# KiCad board RadCheck-SDRAM.kicad_pcb (continued)
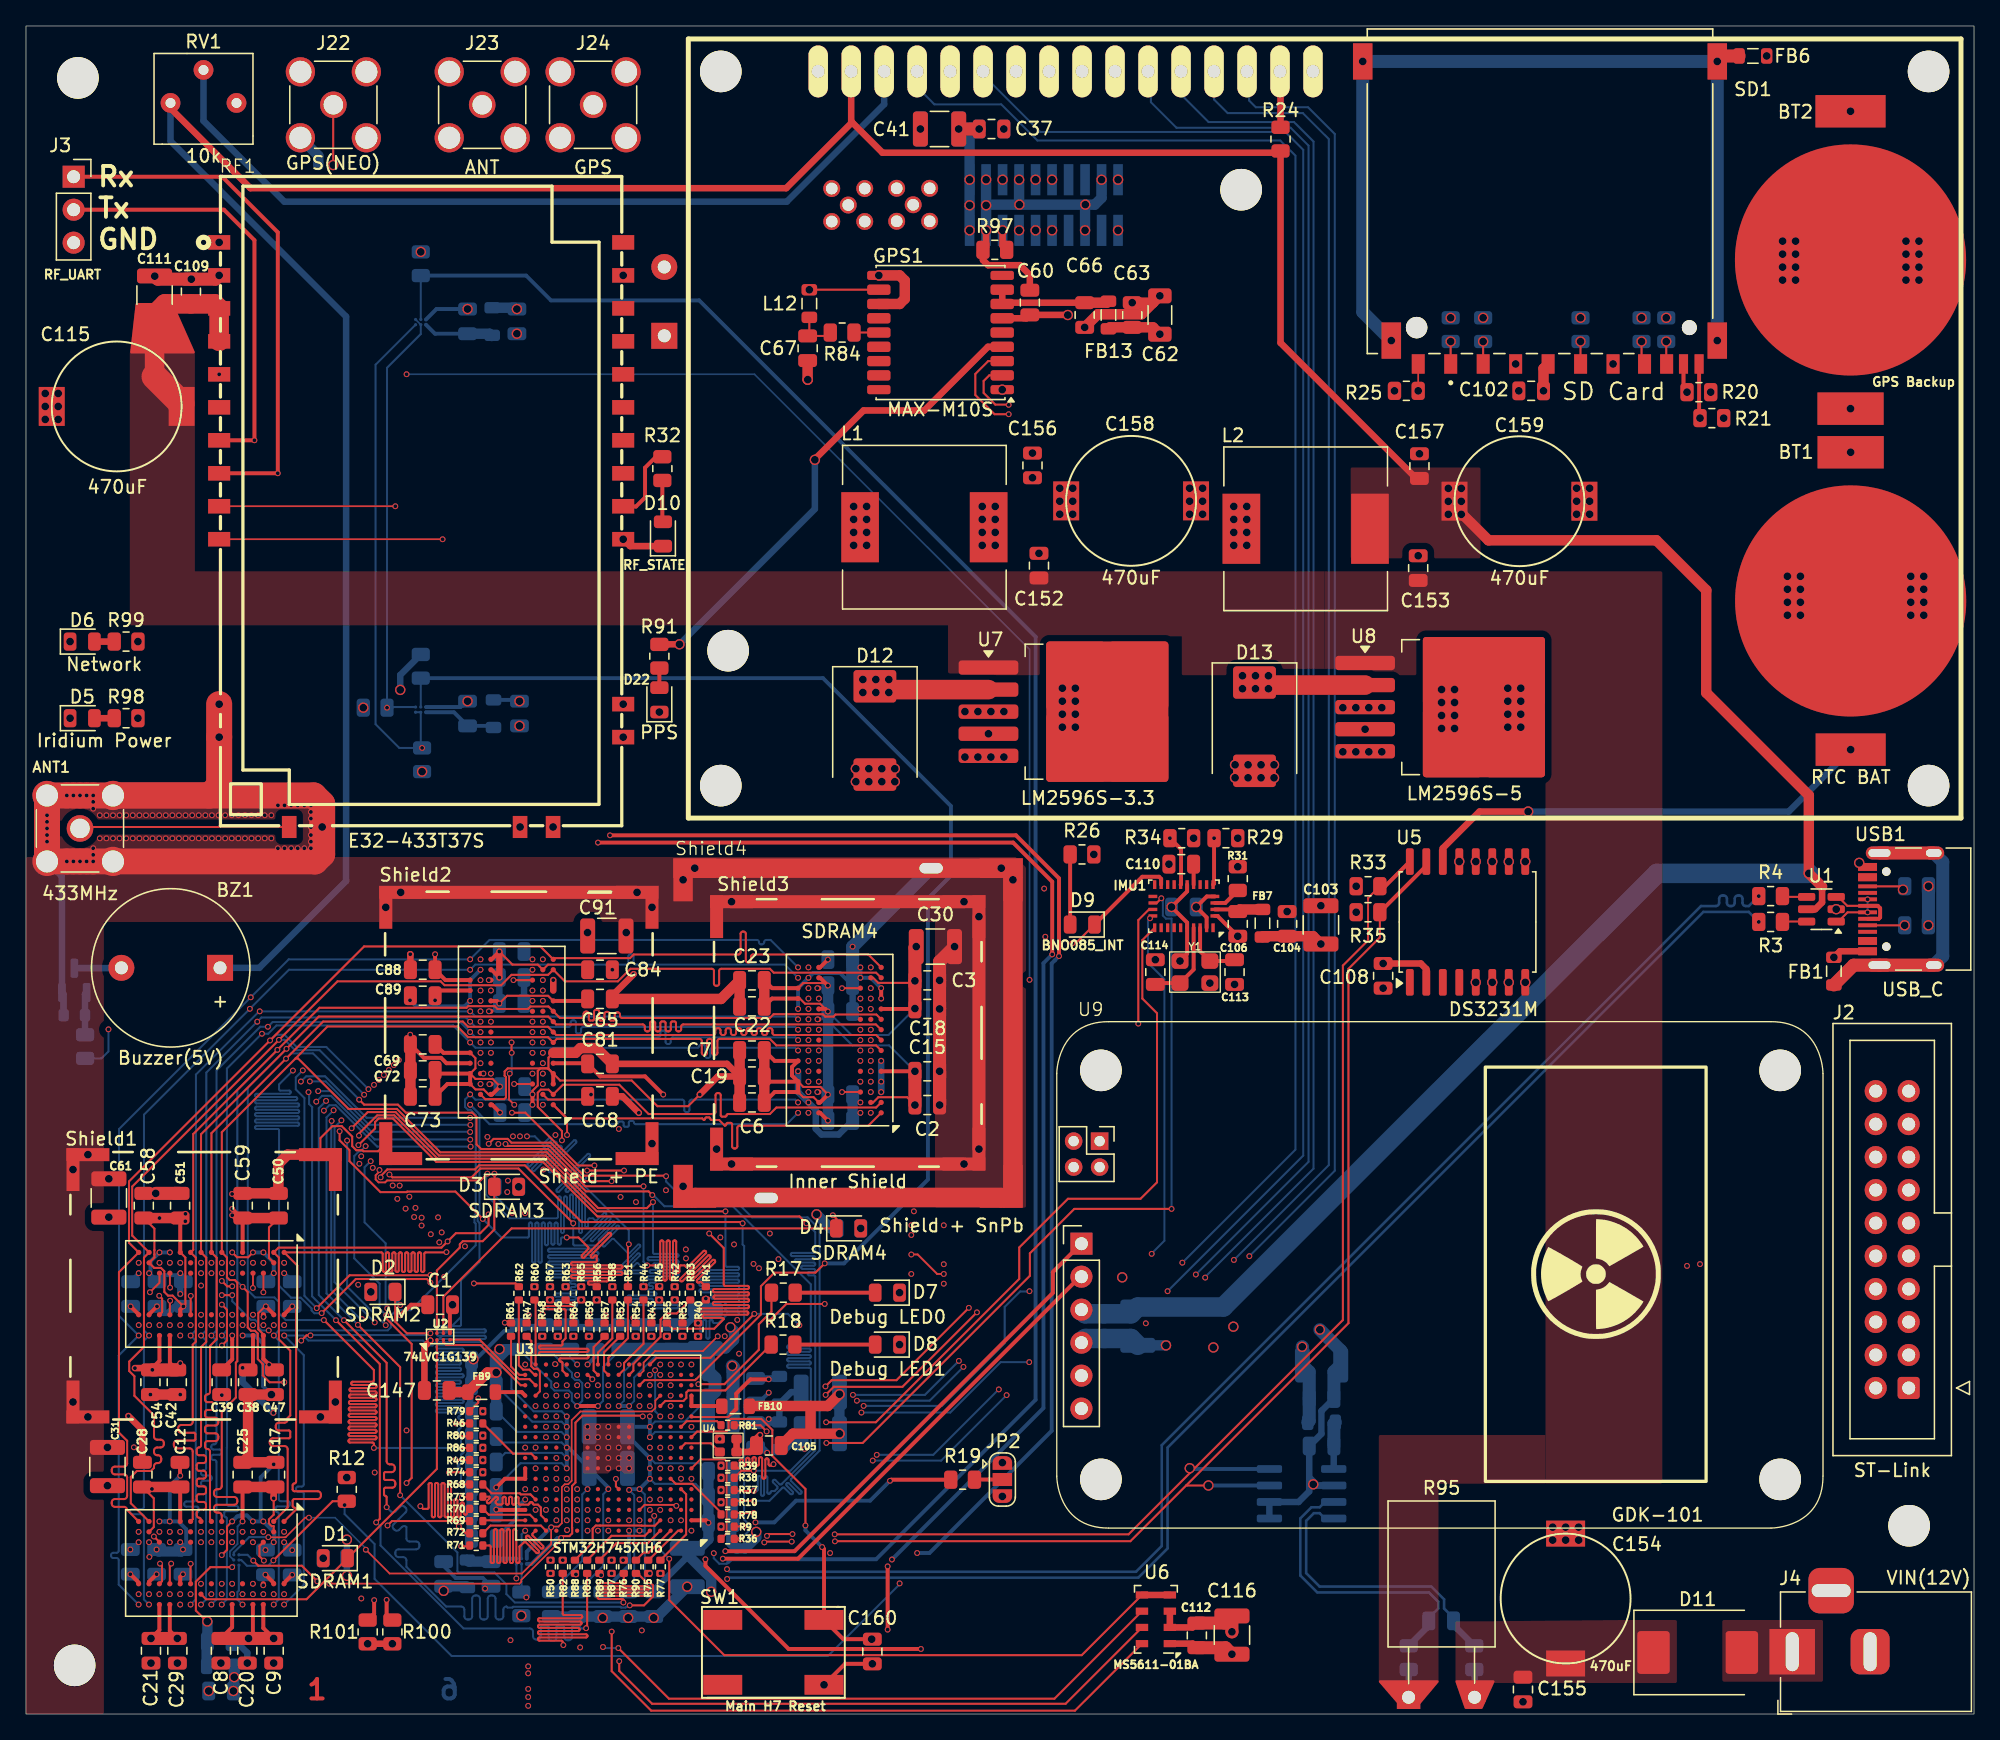
[diagram p0: board, top side]
## Footprints (pads in the part's own frame, mm; a bottom-side part is the same pattern mirrored in y, then rotated) (continued)
TO-126-2_Horizontal_TabDown
  rect 1.8x1.8 hole 1: 1(0,0)
  round 1.8 hole 1: 2(5.08,0)
TO-263-5_TabPin3
  rrect 4.6x1.1 smd: 1(-7.65,3.4) 2(-7.65,1.7) 3(-7.65,0) 4(-7.65,-1.7) 5(-7.65,-3.4)
  rrect 4.55x5.25 smd: 3(-0.925,2.775) 3(-0.925,-2.775) 3(3.925,2.775) 3(3.925,-2.775)
  rrect 9.4x10.8 smd: 3(1.5,0)
ublox_MAX
  rrect 1.8x0.7 smd: 1(-4.75,4.4) 9(-4.75,-4.4) 10(4.75,-4.4) 18(4.75,4.4)
  rrect 1.8x0.8 smd: 2(-4.75,3.3) 3(-4.75,2.2) 4(-4.75,1.1) 5(-4.75,0) 6(-4.75,-1.1) 7(-4.75,-2.2) 8(-4.75,-3.3) 11(4.75,-3.3) 12(4.75,-2.2) 13(4.75,-1.1) 14(4.75,0) 15(4.75,1.1) 16(4.75,2.2) 17(4.75,3.3)
USB_C_Receptacle_HRO_TYPE-C-31-M-12
  round 0.65 hole 0.65 unplated: (-2.89,2.6) (2.89,2.6)
  rect 0.6x1.45 smd: A1(-3.25,4.045) A4(-2.45,4.045) A9(2.45,4.045) A12(3.25,4.045) B1(3.25,4.045) B4(2.45,4.045) B9(-2.45,4.045) B12(-3.25,4.045)
  rect 0.3x1.45 smd: A5(-1.25,4.045) A6(-0.25,4.045) A7(0.25,4.045) A8(1.25,4.045) B5(1.75,4.045) B6(0.75,4.045) B7(-0.75,4.045) B8(-1.75,4.045)
  oval 1x2.1 hole 0.6x1.7: S1(-4.32,3.13) S1(4.32,3.13)
  oval 1x1.6 hole 0.6x1.2: S1(-4.32,-1.05) S1(4.32,-1.05)
WE-SHC_ONE-PIECE_36903205S
  rect 1x3.3 smd: 1(-10.1,8.95) 1(-10.1,-8.95) 1(10.1,8.95) 1(10.1,-8.95)
  rect 3.3x1 smd: 1(-8.95,10.1) 1(-8.95,-10.1) 1(8.95,10.1) 1(8.95,-10.1)
WE-SHC_SMD-FRAME_36103205S
  rect 1x3.3 smd: 1(-10.25,9.1) 1(-10.25,-9.1) 1(10.25,9.1) 1(10.25,-9.1)
  rect 3.3x1 smd: 1(-9.1,10.25) 1(-9.1,-10.25) 1(9.1,10.25) 1(9.1,-10.25)
WLCSP-6_1.4x1.0mm_P0.4mm
  round 0.25 smd: A1(-0.4,0.2) A2(-0.4,-0.2) B1(0,0.2) B2(0,-0.2) C1(0.4,0.2) C2(0.4,-0.2)
XC32M4
  rrect 1.3x1.2 smd: 1(-1.2,-0.8) 2(1.1,-0.8) 3(1.1,0.9) 4(-1.2,0.9)

## Nets
+3.3V: C1.2 C2.1 C3.1 C4.1 C5.1 C6.1 C7.1 C8.1 C9.1 C10.1 C11.1 C12.1 C13.1 C14.1 C15.1 C16.1 C17.1 C18.1 C19.1 C20.1 C21.1 C22.1 C23.1 C24.1 C25.1 C26.1 C27.1 C28.1 C29.1 C30.1 C31.1 C34.1 C35.1 C38.1 C39.1 C42.1 C43.1 C46.1 C47.1 C50.1 C51.1 C53.1 C54.1 C55.1 C56.1 C58.1 C59.1 C61.1 C62.2 C63.2 C64.1 C65.1 C68.1 C69.1 C72.1 C73.1 C76.1 C77.1 C80.1 C81.1 C84.1 C85.1 C88.1 C89.1 C91.1 C92.2 C93.2 C96.2 C97.2 C102.1 C103.1 C104.2 C105.1 C107.1 C108.2 C112.1 C116.1 C117.2 C118.1 C119.1 C121.1 C122.1 C124.2 C125.1 C126.1 C129.1 C130.1 C131.2 C133.1 C134.1 C135.1 C136.1 C137.1 C138.1 C139.1 C140.1 C141.1 C142.1 C143.1 C144.1 C145.1 C147.1 C148.1 C149.1 C150.1 C151.1 C156.1 C158.1 FB2.1 FB3.1 FB4.1 FB5.1 FB7.1 FB9.2 FB11.2 FB12.2 FB13.1 IMU1.5 IMU1.28 J2.1 J2.2 JP2.1 L1.2 R5.1 R6.1 R7.1 R8.1 R11.1 R12.1 R13.1 R14.1 R15.1 R16.1 R20.2 R21.2 R22.2 R23.2 R25.2 R26.1 R27.2 R28.2 R29.2 R30.2 R31.2 R33.1 R34.2 R35.1 SD1.4 SDRAM1.A7 SDRAM1.B2 SDRAM1.B7 SDRAM1.C9 SDRAM1.D9 SDRAM1.E1 SDRAM1.F9 SDRAM1.L1 SDRAM1.L7 SDRAM1.M9 SDRAM1.N9 SDRAM1.P2 SDRAM1.P7 SDRAM1.R7 SDRAM2.A7 SDRAM2.B2 SDRAM2.B7 SDRAM2.C9 SDRAM2.D9 SDRAM2.E1 SDRAM2.F9 SDRAM2.L1 SDRAM2.L7 SDRAM2.M9 SDRAM2.N9 SDRAM2.P2 SDRAM2.P7 SDRAM2.R7 SDRAM3.A7 SDRAM3.B2 SDRAM3.B7 SDRAM3.C9 SDRAM3.D9 SDRAM3.E1 SDRAM3.F9 SDRAM3.L1 SDRAM3.L7 SDRAM3.M9 SDRAM3.N9 SDRAM3.P2 SDRAM3.P7 SDRAM3.R7 SDRAM4.A7 SDRAM4.B2 SDRAM4.B7 SDRAM4.C9 SDRAM4.D9 SDRAM4.E1 SDRAM4.F9 SDRAM4.L1 SDRAM4.L7 SDRAM4.M9 SDRAM4.N9 SDRAM4.P2 SDRAM4.P7 SDRAM4.R7 Temp2.B2 U2.8 U3.A6 U3.B1 U3.C17 U3.E6 U3.E7 U3.E9 U3.E11 U3.F5 U3.F17 U3.G5 U3.G13 U3.G17 U3.H5 U3.H13 U3.J13 U3.K5 U3.K13 U3.L5 U3.L13 U3.M5 U3.M13 U3.N7 U3.N8 U3.N10 U3.N11 U3.N12 U3.U12 U4.1 U4.4 U5.2 U6.1 U7.4
+3.3VA: C120.1 C146.1 FB8.1 FB11.1 U3.L1
+5V: BZ1.1 C36.2 C37.1 C40.1 C41.2 C45.1 C100.1 C101.1 C157.1 C159.1 DS1.2 L2.2 R24.2 RV1.1 SBD1.1 SBD1.2 U1.5 U8.4 U9.3
+12V: C109.1 C111.1 C115.1 C152.1 C153.1 R94.2 R95.1 RF1.3 RF1.4 U7.1 U8.1
GND: ANT1.2 BT1.2 BT2.2 C1.1 C2.2 C3.2 C4.2 C5.2 C6.2 C7.2 C8.2 C9.2 C10.2 C11.2 C12.2 C13.2 C14.2 C15.2 C16.2 C17.2 C18.2 C19.2 C20.2 C21.2 C22.2 C23.2 C24.2 C25.2 C26.2 C27.2 C28.2 C29.2 C30.2 C31.2 C34.2 C35.2 C36.1 C37.2 C38.2 C39.2 C40.2 C41.1 C42.2 C43.2 C45.2 C46.2 C47.2 C50.2 C51.2 C52.2 C53.2 C54.2 C55.2 C56.2 C58.2 C59.2 C60.1 C61.2 C62.1 C63.1 C64.2 C65.2 C66.1 C67.2 C68.2 C69.2 C72.2 C73.2 C76.2 C77.2 C80.2 C81.2 C84.2 C85.2 C88.2 C89.2 C91.2 C92.1 C93.1 C94.2 C95.2 C96.1 C97.1 C98.2 C99.2 C100.2 C101.2 C102.2 C103.2 C104.1 C105.2 C106.2 C107.2 C108.1 C109.2 C110.1 C111.2 C112.2 C113.2 C114.2 C115.2 C116.2 C117.1 C118.2 C119.2 C120.2 C121.2 C122.2 C123.1 C124.1 C125.2 C126.2 C127.1 C128.2 C129.2 C130.2 C131.1 C132.1 C133.2 C134.2 C135.2 C136.2 C137.2 C138.2 C139.2 C140.2 C141.2 C142.2 C143.2 C144.2 C145.2 C146.2 C147.2 C148.2 C149.2 C150.2 C151.2 C152.2 C153.2 C154.2 C155.2 C156.2 C157.2 C158.2 C159.2 C160.2 D5.1 D6.1 D7.1 D8.1 D10.1 D12.2 D13.2 D21.1 D22.1 DS1.1 DS1.5 DS1.16 FB1.2 FB6.2 FB10.2 GPS1.1 GPS1.10 GPS1.12 IMU1.2 IMU1.10 IMU1.25 J2.4 J2.6 J2.8 J2.10 J2.12 J2.14 J2.16 J2.18 J2.20 J3.3 J4.2 J4.3 J22.2 J23.2 J24.2 JP2.3 Q1.2 R1.2 R2.2 R93.1 R97.1 R100.1 R101.1 RF1.1 RF1.2 RF1.11 RF1.12 RF1.14 RF1.15 RF1.16 RF1.17 RF1.18 RF1.19 RF1.27 RV1.3 SBD1.3 SBD1.4 SBD1.8 SBD1.15 SBD1.18 SBD1.23 SD1.3 SD1.6 SDRAM1.A3 SDRAM1.B3 SDRAM1.B8 SDRAM1.C1 SDRAM1.D1 SDRAM1.E9 SDRAM1.F1 SDRAM1.L3 SDRAM1.L9 SDRAM1.M1 SDRAM1.N1 SDRAM1.P3 SDRAM1.P8 SDRAM1.R3 SDRAM2.A3 SDRAM2.B3 SDRAM2.B8 SDRAM2.C1 SDRAM2.D1 SDRAM2.E9 SDRAM2.F1 SDRAM2.L3 SDRAM2.L9 SDRAM2.M1 SDRAM2.N1 SDRAM2.P3 SDRAM2.P8 SDRAM2.R3 SDRAM3.A3 SDRAM3.B3 SDRAM3.B8 SDRAM3.C1 SDRAM3.D1 SDRAM3.E9 SDRAM3.F1 SDRAM3.L3 SDRAM3.L9 SDRAM3.M1 SDRAM3.N1 SDRAM3.P3 SDRAM3.P8 SDRAM3.R3 SDRAM4.A3 SDRAM4.B3 SDRAM4.B8 SDRAM4.C1 SDRAM4.D1 SDRAM4.E9 SDRAM4.F1 SDRAM4.L3 SDRAM4.L9 SDRAM4.M1 SDRAM4.N1 SDRAM4.P3 SDRAM4.P8 SDRAM4.R3 Shield1.1 Shield2.1 Shield3.1 Shield4.1 SW1.3 Temp1.A1 Temp1.B2 Temp2.A1 Temp3.A1 Temp4.A1 U1.2 U2.4 U3.A1 U3.A17 U3.B2 U3.B6 U3.C10 U3.C13 U3.C16 U3.F1 U3.F2 U3.G2 U3.G7 U3.G8 U3.G9 U3.G10 U3.G11 U3.G16 U3.H7 U3.H8 U3.H9 U3.H10 U3.H11 U3.J3 U3.J7 U3.J8 U3.J9 U3.J10 U3.J11 U3.J16 U3.J17 U3.K7 U3.K8 U3.K9 U3.K10 U3.K11 U3.K15 U3.L7 U3.L8 U3.L9 U3.L10 U3.L11 U3.L15 U3.M15 U3.N16 U3.R4 U3.R8 U3.T12 U3.U1 U3.U17 U4.2 U5.5 U5.6 U5.7 U5.8 U5.9 U5.10 U5.11 U5.12 U5.13 U6.2 U6.3 U7.3 U7.5 U8.3 U8.5 U9.4 U10.1 U10.2 U10.6 USB1.A1 USB1.A12 USB1.B1 USB1.B12 Y1.2 Y1.4
/Power/INA_N: C49.1 R94.1 U10.7
/Power/INA_P: C49.2 R96.2 U10.8
AS6221_SCL: R14.2 Temp1.C1 Temp2.C1 Temp3.C1 Temp4.B2 Temp4.C1 U3.P3
AS6221_SDA: R13.2 Temp1.C2 Temp2.C2 Temp3.B2 Temp3.C2 Temp4.C2 U3.P4
Barometer_CS: U3.A9 U6.4 U6.5
Barometer_MISO: U3.A10 U6.6
Barometer_MOSI: U3.C11 U6.7
Barometer_SCK: U3.B9 U6.8
BNO085_CS: IMU1.18 U3.B7
BNO085_INT: D9.1 IMU1.14 U3.M4
BNO085_MISO: IMU1.20 U3.M3
BNO085_MOSI: IMU1.17 U3.M2
BNO085_PS0: IMU1.6 R29.1 U3.T4
BNO085_RST: IMU1.11 R34.1 U3.U4
BNO085_SCK: IMU1.19 U3.B12
BOOT0: R19.2 U3.E8
Buzzer: R92.1 U3.T11
D4: DS1.11 U3.U3
D5: DS1.12 U3.T3
D6: DS1.13 U3.R3
D7: DS1.14 U3.R5
D+: R3.2 U3.E16
d+: U1.1 USB1.A6 USB1.B6
D-: R4.2 U3.E17
d-: U1.3 USB1.A7 USB1.B7
Debug_LED0: R17.1 U3.N5
Debug_LED1: R18.1 U3.N4
EN: DS1.6 U3.N3
GDK101_Rx: U3.D15 U9.2
GDK101_Tx: U3.C5 U9.1
GPS_BAT: BT2.1 C60.2 GPS1.6
GPS_PPS: GPS1.4 R91.1
GPS_Rx: GPS1.3 U3.U14
GPS_Tx: GPS1.2 U3.T14
MainMCU_12MHz: U3.J2 U4.3
MCU_A0: R9.1 U3.G4
MCU_A1: R10.1 U3.G3
MCU_A2: R36.1 U3.G1
MCU_A3: R37.1 U3.H4
MCU_A4: R38.1 U3.J5
MCU_A5: R39.1 U3.J4
MCU_A6: R40.1 U3.R7
MCU_A7: R41.1 U3.P7
MCU_A8: R42.1 U3.P8
MCU_A9: R43.1 U3.R9
MCU_A10: R44.1 U3.T8
MCU_A11: R45.1 U3.U8
MCU_A12: R46.1 U3.H16
MCU_BA0: R79.1 U3.H14
MCU_BA1: R80.1 U3.G14
MCU_D0: R47.1 U3.P16
MCU_D1: R48.1 U3.P15
MCU_D2: R49.1 U3.D13
MCU_D3: R50.1 U3.E12
MCU_D4: R51.1 U3.U9
MCU_D5: R52.1 U3.T9
MCU_D6: R53.1 U3.P9
MCU_D7: R54.1 U3.N9
MCU_D8: R55.1 U3.P10
MCU_D9: R56.1 U3.R10
MCU_D10: R57.1 U3.T10
MCU_D11: R58.1 U3.U10
MCU_D12: R59.1 U3.R11
MCU_D13: R60.1 U3.U16
MCU_D14: R61.1 U3.T17
MCU_D15: R62.1 U3.T16
MCU_D16: R63.1 U3.T13
MCU_D17: R64.1 U3.R13
MCU_D18: R65.1 U3.P13
MCU_D19: R66.1 U3.P14
MCU_D20: R67.1 U3.R14
MCU_D21: R68.1 U3.D16
MCU_D22: R69.1 U3.B17
MCU_D23: R70.1 U3.B16
MCU_D24: R71.1 U3.A16
MCU_D25: R72.1 U3.A15
MCU_D26: R73.1 U3.B15
MCU_D27: R74.1 U3.C14
MCU_D28: R75.1 U3.A2
MCU_D29: R76.1 U3.B3
MCU_D30: R77.1 U3.E2
MCU_D31: R78.1 U3.F3
MCU_NBL0: R87.1 U3.C4
MCU_NBL1: R88.1 U3.B4
MCU_NBL2: R89.1 U3.A4
MCU_NBL3: R90.1 U3.A3
MCU_SDCKE1: R85.1 U3.A5
MCU_SDCLK: R86.1 U3.F15
MCU_SDNCAS: R82.1 U3.D6
MCU_SDNE1: U3.B5
MCU_SDNRAS: R83.1 U3.T7
MCU_SDNWE: R81.1 U3.L2
MCU_TEMP_INT: R11.2 Temp1.B1 U3.U5
RF_M0: RF1.10 U3.P6
RF_M1: RF1.9 U3.T6
RF_RST: RF1.5 U3.N6
RF_Rx: J3.1 RF1.8 U3.A11
RF_State: R32.1 RF1.20
RF_TEMP0_INT: R15.2 Temp3.B1 U3.R6
RF_TEMP1_INT: R16.2 Temp4.B1 U3.C6
RF_Tx: J3.2 RF1.7 U3.B11
RS: DS1.4 U3.U2
RTC_SCL: R33.2 U3.D5 U5.16 U10.4
RTC_SDA: R35.2 U3.D4 U5.15 U10.3
SBD_CTS: SBD1.11 U3.N13
SBD_DCD: SBD1.9 U3.N15
SBD_DSR: SBD1.10 U3.N14
SBD_EN: R97.2 SBD1.5 U3.R12
SBD_PowerIndicator: R98.2 R100.2 SBD1.20 U3.K14
SBD_Ring: SBD1.12 U3.M14
SBD_Rx: SBD1.6 U3.P11
SBD_Satellite_Network: R99.2 R101.2 SBD1.19 U3.L14
SBD_Tx: SBD1.7 U3.P12
SDIO_CLK: R28.1 SD1.5 U3.C12
SDIO_CMD: R30.1 SD1.2 U3.D12
SDIO_D0: R22.1 SD1.7 U3.E13
SDIO_D1: R23.1 SD1.8 U3.E14
SDIO_D2: R25.1 SD1.9 U3.A13
SDIO_D3: R27.1 SD1.1 U3.B13
SDIO_INT: R20.1 SD1.CD_IND U3.F14
SDIO_WP: R21.1 SD1.WP U3.F13
SDRAM_A0: R9.2 SDRAM1.G8 SDRAM2.G8 SDRAM3.G8 SDRAM4.G8
SDRAM_A1: R10.2 SDRAM1.G9 SDRAM2.G9 SDRAM3.G9 SDRAM4.G9
SDRAM_A2: R36.2 SDRAM1.F7 SDRAM2.F7 SDRAM3.F7 SDRAM4.F7
SDRAM_A3: R37.2 SDRAM1.F3 SDRAM2.F3 SDRAM3.F3 SDRAM4.F3
SDRAM_A4: R38.2 SDRAM1.G1 SDRAM2.G1 SDRAM3.G1 SDRAM4.G1
SDRAM_A5: R39.2 SDRAM1.G2 SDRAM2.G2 SDRAM3.G2 SDRAM4.G2
SDRAM_A6: R40.2 SDRAM1.G3 SDRAM2.G3 SDRAM3.G3 SDRAM4.G3
SDRAM_A7: R41.2 SDRAM1.H1 SDRAM2.H1 SDRAM3.H1 SDRAM4.H1
SDRAM_A8: R42.2 SDRAM1.H2 SDRAM2.H2 SDRAM3.H2 SDRAM4.H2
SDRAM_A9: R43.2 SDRAM1.J3 SDRAM2.J3 SDRAM3.J3 SDRAM4.J3
SDRAM_A10: R44.2 SDRAM1.G7 SDRAM2.G7 SDRAM3.G7 SDRAM4.G7
SDRAM_A11: R45.2 SDRAM1.H9 SDRAM2.H9 SDRAM3.H9 SDRAM4.H9
SDRAM_A12: R46.2 SDRAM1.H3 SDRAM2.H3 SDRAM3.H3 SDRAM4.H3
SDRAM_BA0: R79.2 SDRAM1.J7 SDRAM2.J7 SDRAM3.J7 SDRAM4.J7
SDRAM_BA1: R80.2 SDRAM1.H8 SDRAM2.H8 SDRAM3.H8 SDRAM4.H8
SDRAM_CS0: D1.1 SDRAM1.J8 U2.3
SDRAM_CS1: D2.1 SDRAM2.J8 U2.5
SDRAM_CS2: D3.1 SDRAM3.J8 U2.6
SDRAM_CS3: D4.1 SDRAM4.J8 U2.7
SDRAM_CS_A0: U2.1 U3.R16
SDRAM_CS_A1: U2.2 U3.R17
SDRAM_D0: R47.2 SDRAM1.R8 SDRAM2.R8 SDRAM3.R8 SDRAM4.R8
SDRAM_D1: R48.2 SDRAM1.N7 SDRAM2.N7 SDRAM3.N7 SDRAM4.N7
SDRAM_D2: R49.2 SDRAM1.R9 SDRAM2.R9 SDRAM3.R9 SDRAM4.R9
SDRAM_D3: R50.2 SDRAM1.N8 SDRAM2.N8 SDRAM3.N8 SDRAM4.N8
SDRAM_D4: R51.2 SDRAM1.P9 SDRAM2.P9 SDRAM3.P9 SDRAM4.P9
SDRAM_D5: R52.2 SDRAM1.M8 SDRAM2.M8 SDRAM3.M8 SDRAM4.M8
SDRAM_D6: R53.2 SDRAM1.M7 SDRAM2.M7 SDRAM3.M7 SDRAM4.M7
SDRAM_D7: R54.2 SDRAM1.L8 SDRAM2.L8 SDRAM3.L8 SDRAM4.L8
SDRAM_D8: R55.2 SDRAM1.L2 SDRAM2.L2 SDRAM3.L2 SDRAM4.L2
SDRAM_D9: R56.2 SDRAM1.M3 SDRAM2.M3 SDRAM3.M3 SDRAM4.M3
SDRAM_D10: R57.2 SDRAM1.M2 SDRAM2.M2 SDRAM3.M2 SDRAM4.M2
SDRAM_D11: R58.2 SDRAM1.P1 SDRAM2.P1 SDRAM3.P1 SDRAM4.P1
SDRAM_D12: R59.2 SDRAM1.N2 SDRAM2.N2 SDRAM3.N2 SDRAM4.N2
SDRAM_D13: R60.2 SDRAM1.R1 SDRAM2.R1 SDRAM3.R1 SDRAM4.R1
SDRAM_D14: R61.2 SDRAM1.N3 SDRAM2.N3 SDRAM3.N3 SDRAM4.N3
SDRAM_D15: R62.2 SDRAM1.R2 SDRAM2.R2 SDRAM3.R2 SDRAM4.R2
SDRAM_D16: R63.2 SDRAM1.E8 SDRAM2.E8 SDRAM3.E8 SDRAM4.E8
SDRAM_D17: R64.2 SDRAM1.D7 SDRAM2.D7 SDRAM3.D7 SDRAM4.D7
SDRAM_D18: R65.2 SDRAM1.D8 SDRAM2.D8 SDRAM3.D8 SDRAM4.D8
SDRAM_D19: R66.2 SDRAM1.B9 SDRAM2.B9 SDRAM3.B9 SDRAM4.B9
SDRAM_D20: R67.2 SDRAM1.C8 SDRAM2.C8 SDRAM3.C8 SDRAM4.C8
SDRAM_D21: R68.2 SDRAM1.A9 SDRAM2.A9 SDRAM3.A9 SDRAM4.A9
SDRAM_D22: R69.2 SDRAM1.C7 SDRAM2.C7 SDRAM3.C7 SDRAM4.C7
SDRAM_D23: R70.2 SDRAM1.A8 SDRAM2.A8 SDRAM3.A8 SDRAM4.A8
SDRAM_D24: R71.2 SDRAM1.A2 SDRAM2.A2 SDRAM3.A2 SDRAM4.A2
SDRAM_D25: R72.2 SDRAM1.C3 SDRAM2.C3 SDRAM3.C3 SDRAM4.C3
SDRAM_D26: R73.2 SDRAM1.A1 SDRAM2.A1 SDRAM3.A1 SDRAM4.A1
SDRAM_D27: R74.2 SDRAM1.C2 SDRAM2.C2 SDRAM3.C2 SDRAM4.C2
SDRAM_D28: R75.2 SDRAM1.B1 SDRAM2.B1 SDRAM3.B1 SDRAM4.B1
SDRAM_D29: R76.2 SDRAM1.D2 SDRAM2.D2 SDRAM3.D2 SDRAM4.D2
SDRAM_D30: R77.2 SDRAM1.D3 SDRAM2.D3 SDRAM3.D3 SDRAM4.D3
SDRAM_D31: R78.2 SDRAM1.E2 SDRAM2.E2 SDRAM3.E2 SDRAM4.E2
SDRAM_NBL0: R87.2 SDRAM1.K9 SDRAM2.K9 SDRAM3.K9 SDRAM4.K9
SDRAM_NBL1: R88.2 SDRAM1.K1 SDRAM2.K1 SDRAM3.K1 SDRAM4.K1
SDRAM_NBL2: R89.2 SDRAM1.F8 SDRAM2.F8 SDRAM3.F8 SDRAM4.F8
SDRAM_NBL3: R90.2 SDRAM1.F2 SDRAM2.F2 SDRAM3.F2 SDRAM4.F2
SDRAM_SDCKE1: R85.2 SDRAM1.J2 SDRAM2.J2 SDRAM3.J2 SDRAM4.J2
SDRAM_SDCLK: R86.2 SDRAM1.J1 SDRAM2.J1 SDRAM3.J1 SDRAM4.J1
SDRAM_SDNCAS: R82.2 SDRAM1.K7 SDRAM2.K7 SDRAM3.K7 SDRAM4.K7
SDRAM_SDNRAS: R83.2 SDRAM1.J9 SDRAM2.J9 SDRAM3.J9 SDRAM4.J9
SDRAM_SDNWE: R81.2 SDRAM1.K8 SDRAM2.K8 SDRAM3.K8 SDRAM4.K8
SDRAM_TEMP_INT: R12.2 Temp2.B1 U3.T5
SHIELD_GND: FB6.1 SD1.G1 SD1.G2 SD1.G3 SD1.G4
ST-Link_Reset: C160.1 J2.15 SW1.1 U3.K1
ST-Link_SWCLK: J2.9 U3.B14
ST-Link_SWDIO: J2.7 U3.C15
VO: DS1.3 RV1.2
Net-(ANT1-In): ANT1.1 RF1.13
Net-(BT1-+): BT1.1 U5.14
Net-(BZ1-+): BZ1.2 Q1.3
Net-(C67-Pad1): C67.1 L12.1 R84.2
Net-(C123-Pad2): C123.2 U3.U11
Net-(C127-Pad2): C127.2 U3.D17
Net-(C132-Pad2): C132.2 U3.A7
Net-(D1-A): D1.2 R5.2
Net-(D2-A): D2.2 R6.2
Net-(D3-A): D3.2 R7.2
Net-(D4-A): D4.2 R8.2
Net-(D5-A): D5.2 R98.1
Net-(D6-A): D6.2 R99.1
Net-(D7-A): D7.2 R17.2
Net-(D8-A): D8.2 R18.2
Net-(D9-A): D9.2 R26.2
Net-(D10-A): D10.2 R32.2
Net-(D11-A): D11.2 J4.1
Net-(D11-K): C154.1 C155.1 D11.1 R95.2 R96.1
Net-(D12-K): D12.1 L1.1 U7.2
Net-(D13-K): D13.1 L2.1 U8.2
Net-(D21-A2): D21.2 GPS1.11 J22.1 L12.2
Net-(D22-A): D22.2 R91.2
Net-(DS1-LED(+)): DS1.15 R24.1
Net-(GPS1-VCC): C66.2 FB13.2 GPS1.7 GPS1.8
Net-(GPS1-VCC_RF): GPS1.14 R84.1
Net-(IMU1-BOOTN): IMU1.4 R31.1
Net-(IMU1-CAP): C110.2 IMU1.9
Net-(IMU1-VDD): C106.1 FB7.2 IMU1.3
Net-(IMU1-XIN32): C113.1 IMU1.27 Y1.3
Net-(IMU1-XOUT32/CLKSEL1): C114.1 IMU1.26 Y1.1
Net-(J23-In): J23.1 SBD1.22
Net-(J24-In): J24.1 SBD1.21
Net-(JP2-C): JP2.2 R19.1
Net-(Q1-G): Q1.1 R92.2 R93.2
Net-(R3-Pad1): R3.1 U1.6
Net-(R4-Pad1): R4.1 U1.4
Net-(Temp1-VDD): C94.1 FB2.2 Temp1.A2
Net-(Temp2-VDD): C95.1 FB3.2 Temp2.A2
Net-(Temp3-VDD): C98.1 FB4.2 Temp3.A2
Net-(Temp4-VDD): C99.1 FB5.2 Temp4.A2
Net-(U3C-VDDSI): FB9.1 U3.P17
Net-(U3C-VREF+): C128.1 FB8.2 U3.M1
Net-(U3C-VREF-): FB10.1 U3.N1 U3.P1
Net-(U10-VS): C52.1 FB12.1 U10.5
Net-(USB1-CC1): R2.1 USB1.A5
Net-(USB1-CC2): R1.1 USB1.B5
Net-(USB1-SHIELD): FB1.1 USB1.S1

Pads without a net: DS1 7 8 9 10; GPS1 5 9 13 15 16 17 18; IMU1 1 7 8 12 13 15 16 21 22 23 24; J2 3 5 11 13 17 19; RF1 6 21 22 23 24 25 26 28; SBD1 13 14 16 17; SDRAM1 E3 E7 H7 K2 K3; SDRAM2 E3 E7 H7 K2 K3; SDRAM3 E3 E7 H7 K2 K3; SDRAM4 E3 E7 H7 K2 K3; SW1 2 4; U3 A8 A12 A14 B8 B10 C1 C2 C3 C7 C8 C9 D1 D2 D3 D7 D8 D9 D10 D11 D14 E1 E3 E4 E5 E10 E15 F4 F16 G15 H1 H2 H3 H15 H17 J1 J14 J15 K2 K3 K4 K16 K17 L3 L4 L16 L17 M16 M17 N2 N17 P2 P5 R1 R2 R15 T1 T2 T15 U6 U7 U13 U15; U5 1 3 4; U9 5 6 8 10 A0 A1; USB1 A4 A8 A9 B4 B8 B9

## Via types
v1: diameter 0.45, hole 0.3, Top to Bottom, 925 vias
v2: diameter 0.8, hole 0.6, Top to Bottom, 396 vias

## Routing (per net, layer and track width the routed paths; a pad name or vN(x,y) marks a point on that pad's centre or on a via; arc(x,y) is an arc through that point)
+3.3V: length 589.7
  Top w0.157: SDRAM4.B2 65.23,47.1 65.63,47.5 67.85,47.5 v2(68.45,46.9) ; SDRAM1.P2 9.84,14.4 9.84,16.61 C28.1 ; SDRAM3.L1 40.21,55.31 37.04,55.31 v1(36.45,54.72) ; v1(36.5,48.32) 36.5,48.34 35.93,48.91 34.61,48.91 SDRAM3.D9 34.61,49.73 34.61,50.51 SDRAM3.F9 ; SDRAM4.M9 59.59,55.1 59.99,54.7 61.15,54.7 v1(61.75,54.1) ; 19.07,17.38 19.07,15.35 18.71,14.98 18.71,14.68 18.92,14.46 19.07,14.46 SDRAM1.B2 ; SDRAM4.D9 59.86,48.29 61.18,48.29 61.75,47.72 v1(61.75,47.7) ; C50.1 18.71,37.47 18.71,35.12 SDRAM2.B2 ; SDRAM4.N9 59.84,56.29 61.56,56.29 v1(61.75,56.1) ; SDRAM4.B7 60.64,47.51 59.84,47.51 SDRAM4.C9 ; 18.28,29.24 17.89,29.63 17.89,30.88 18.4,31.39 v1(18.47,31.39) ; 42.86,57.71 40.19,57.71 SDRAM3.P2 39.41,57.71 37.46,57.71 v1(36.45,58.72) ; SDRAM3.B2 40.19,47.33 43.01,47.33 ; 68.26,56.31 65.62,56.31 65.23,56.7 SDRAM4.P2 ; SDRAM3.B7 35.62,47.72 35.24,48.1 34.62,48.1 SDRAM3.C9 ; SDRAM2.L1 12.27,35.16 12.27,31.55 v1(12.12,31.39) 11.29,32.22 10.94,32.22 10.65,32.51 10.65,34.1 10.39,34.36 9.87,34.36 SDRAM2.P2 9.89,35.16 9.89,35.38 9.89,35.39 9.89,35.71 9.89,35.72 9.89,37.38 C58.1 v1(10.28,38.2)
  Top w0.3: v1(36.45,54.72) 36.25,54.92 SDRAM3.L7 ; C38.1 17.48,26.88 SDRAM2.D9 ; C7.1 57.65,50.3 SDRAM4.F9 58.98,49.83 58.98,49.16 SDRAM4.D9 ; C39.1 15.88,27.32 v1(15.88,29.15) ; v1(61.75,58.1) 61.15,57.5 SDRAM4.R7 ; SDRAM1.P7 9.47,10.18 v1(10.06,10.77) ; IMU1.5 90.92,62.96 v2(90.11,62.15) 90.91,61.35 IMU1.28 ; 9.48,30.79 v1(10.09,31.39) ; v1(36.5,48.32) 35.9,47.72 SDRAM3.B7 ; SDRAM3.F9 32.15,50.92 C69.1 ; U3.G17 U3.F17 36.88,18.12 v1(36.21,17.45) ; v2(19.07,5.82) 18.27,6.62 SDRAM1.C9 ; v1(36.45,56.72) 35.85,57.32 SDRAM3.P7 ; SDRAM3.E1 43.2,50.12 ; v1(31.5,58.51) C88.1 32.3,56.52 SDRAM3.N9 ; SDRAM1.L1 11.87,17.47 ; SDRAM2.L1 11.88,38.18 ; C47.1 v1(18.72,26.91) 18.28,27.35 SDRAM2.C9 ; U3.C17 36.23,15.72 v1(36.21,15.74) ; C81.1 44.22,49.1 47.67,49.1 v1(49.07,47.71) ; SDRAM4.E1 v2(68.45,49.5) ; v1(61.75,47.7) 61.15,47.1 SDRAM4.B7 ; v1(61.75,56.1) 61.15,56.7 SDRAM4.P7 ; v2(11.66,5.82) 11.07,6.41 SDRAM1.M9 ; C8.1 15.87,6.69 SDRAM1.F9 ; SDRAM1.N9 10.27,6.47 v2(9.63,5.82) ; SDRAM4.L7 61.55,54.3 v1(61.75,54.1) ; SDRAM3.R7 35.85,58.12 v1(36.45,58.72) ; C22.1 57.45,55.1 SDRAM4.M9 ; C42.1 11.08,27.04 SDRAM2.M9 ; U2.8 32.64,31.32 ; SDRAM1.R7 8.67,10.13 v1(8.03,10.77) ; C59.1 16.09,38.2 v1(15.88,38.41) ; v1(61.75,45.7) 61.15,46.3 SDRAM4.A7 ; 31.75,49.32 SDRAM3.D9 SDRAM3.C9 32.45,48.52 C73.1 ; C18.1 SDRAM4.L1 ; v1(12.09,10.77) 11.87,10.55 SDRAM1.L7 ; v1(52.55,14.73) 52.36,14.92 U3.B1 ; SDRAM3.A7 35.9,46.92 v1(36.5,46.32) ; C19.1 57.25,48.7 SDRAM4.D9 ; SDRAM1.D9 17.47,6.25 C20.1 ; SDRAM3.L1 43.1,54.92 ; v1(12.12,31.39) 11.88,31.15 SDRAM2.L7 ; SDRAM1.A7 19.87,10.09 v1(20.5,10.72) ; SDRAM2.E1 16.68,38.18 ; SDRAM4.D9 SDRAM4.C9 57.65,47.9 C6.1 ; C23.1 57.45,55.9 SDRAM4.N9 ; SDRAM2.N9 10.28,27.2 C54.1 ; SDRAM3.M9 31.9,55.72 C89.1 ; 8.68,30.77 v1(8.06,31.39) ; 11.61,26.75 v1(11.88,27.02) ; v1(18.44,10.73) 19.07,10.1 SDRAM1.B7 ; v1(16.67,14.83) 16.67,17.47 ; 19.08,30.79 v1(18.47,31.39) ; 19.88,30.77 v1(20.5,31.39) ; v1(44.04,23.72) U3.N11 v1(42.44,23.72) ; 16.58,38.2 v1(15.88,38.9)
  Top w0.5: v1(36.45,56.72) 36.45,58.69 ; 19.07,16.74 v1(19.07,16.62) 19.07,17.38 ; v1(8.39,26.64) 9.44,26.64 ; U5.2 107.83,57.37 107.4,57.8 v2(104.5,57.8) ; U6.1 89.84,5.42 C112.1 ; U4.1 U4.4 55.75,20.18 C105.1 56.25,21.21 v1(56.52,21.49)
  Top w0.8: C25.1 C17.1 ; C58.1 C51.1 ; v2(116.85,101.9) 116.85,103.61 SD1.4 ; FB7.1 95.27,59.9 C104.2 99.11,59.9 v2(99.71,59.3) ; v2(87.31,106.26) 86.78,106.79 C63.2 83.46,106.79 FB13.1 ; C147.1 32.71,24.79 FB9.2 35.53,26.3 v2(36.21,26.3) ; C7.1 C6.1 ; C22.1 C23.1 ; C12.1 C28.1 ; C73.1 C72.1 ; C59.1 C50.1
  Top w1: C112.1 92.36,5.11 v2(92.86,4.61) ; v2(68.45,54.33) v2(68.45,56.46) 68.45,59 v2(68.55,59.1) ; C8.1 v2(17.14,5.82) v2(19.07,5.82) ; v2(68.45,46.9) v2(68.45,49.5) ; v2(9.63,5.82) v2(11.66,5.82) ; C42.1 v1(9.73,26.5)
  In1.Cu w0.8: v2(54.24,29.78) 54.52,29.51 54.52,28.73 53.89,28.1 v2(36.46,28.1)
  In2.Cu w0.3: v1(15.88,29.15) 15.88,27.46 v1(16.68,26.66) ; 55.31,33.12 54.01,31.82 54.01,30.09 54.24,29.86 v2(54.24,29.78) ; v1(37.44,38.59) 37.44,38.11 36.52,37.19 33.76,37.19 33.74,37.17 33.57,37.17 33.24,36.84 33.24,35.15 32.84,34.75 v2(32.84,31.52) ; v1(20.5,31.39) v1(18.47,31.39)
  In3.Cu w0.8: v2(79.6,92.4) 79.6,80.06 75.03,75.49 v2(74.11,75.49)
  In4.Cu w0.3: v1(28.82,31.5) 28.85,31.52 v2(32.84,31.52)
  In4.Cu w0.5: v1(8.31,20.54) 9.7,19.15 v1(9.7,17.33)
  Bottom w0.142: 16,11.86 15.71,12.15 15.71,12.52 16.29,13.1 16.29,14.45 v1(16.67,14.83) ; C119.1 49,28.09 46.83,25.92 46.83,24.11 v1(46.44,23.72) ; C130.1 46.05,26.38 46.05,24.13 v1(45.64,23.72)
  Bottom w0.157: v2(68.45,54.33) 66.41,52.29 63.56,52.29 v1(61.75,54.1) 61.75,53.38 63.63,51.49 66.46,51.49 v2(68.45,49.5) ; C118.1 40.45,25.6 40.45,25.16 40.69,24.91 41.8,24.91 42.03,24.68 42.03,24.13 v1(42.44,23.72) 42.83,24.11 42.83,25.48 42.59,25.73 42.28,25.73 42.05,25.96 42.05,26.27 40.23,28.09 ; v1(41.64,20.52) 41.25,20.91 36.67,20.91 C140.1 ; v1(41.64,22.92) 41.25,23.31 39.09,23.31 37.38,25.02 37.38,26.08 C117.2 ; C143.1 44.49,11.45 44.45,11.49 44.45,16.93 v1(44.84,17.32) ; v1(48.04,19.72) 48.45,19.31 51.93,19.31 C136.1 ; v1(43.24,17.32) 42.83,16.91 42.83,11.79 C142.1 ; C131.2 44.43,26.72 44.43,24.11 v1(44.04,23.72) ; C141.1 47.65,10.1 47.65,16.91 v1(47.24,17.32) ; R7.1 36.11,39.92 v1(37.44,38.59) ; C133.1 46.83,9.86 46.83,16.86 v1(46.44,17.25) ; C144.1 51.93,21.73 48.45,21.73 v1(48.04,21.32) ; v1(36.21,17.45) 38.07,19.31 41.25,19.31 v1(41.64,18.92) ; C125.1 37.81,21.73 41.23,21.73 v1(41.64,21.32) ; C137.1 52.55,25.62 ; C122.1 36.91,20.11 41.25,20.11 v1(41.64,19.72) ; v1(42.44,26.92) 41.88,27.48 C129.1 ; C135.1 51.55,17.73 48.43,17.73 v1(48.04,18.12) ; v1(41.64,22.12) 41.25,22.51 38.99,22.51 C126.1 ; v1(48.04,22.12) 48.45,22.53 50.73,22.53 C145.1
  Bottom w0.3: v1(41.64,22.92) v1(41.64,18.92) ; v1(48.04,22.12) C149.1 ; R6.1 28.38,31.94 v1(28.82,31.5) ; v1(48.04,21.32) v1(48.04,22.92) ; 46.91,14.12 v1(47.24,14.12) 47.55,14.12 ; FB4.1 37.9,78.1 ; v1(43.24,17.32) 43.24,18.79 ; 46.31,21.44 v1(48.04,19.72) v1(48.04,18.12) v1(47.24,17.32) 46.5,17.32 v1(46.44,17.25) ; v1(42.44,23.72) v1(44.04,23.72) ; v1(44.84,17.32) 44.84,17.44 C148.1 41.77,20.52 v1(41.64,20.52) ; v1(46.44,23.72) v1(45.64,23.72)
  Bottom w0.5: 59.69,20.68 v1(59.95,20.42) ; v1(19.05,23.19) 16.68,25.56 v1(16.68,26.66) ; 48.34,9.52 50.92,12.1 C124.2 ; R15.1 28.82,80.02 v2(28.82,78.87) ; v2(24.72,10.64) 24.71,10.65 R5.1 24.71,13.43 v2(24.71,13.43) ; C151.1 58.47,20.37 FB11.2 ; v1(10.09,31.39) 10.59,30.89 10.97,30.89 11.44,31.36 12.09,31.36 ; v1(36.45,54.72) v1(36.45,56.72)
  Bottom w0.8: FB2.1 33.89,9.84 C92.2 v2(32.16,9.49) ; C125.1 v2(36.21,26.3) C117.2 37.05,28.09 C118.1 ; FB5.1 37.7,108.3 ; v2(60.88,38.48) 61.96,37.4 R8.1 ; C129.1 C118.1 ; C118.1 36.48,28.09 v2(36.46,28.1) ; C124.2 50.92,12.29 52.76,10.45 52.76,9.42 v2(52.76,9.42) ; 16.03,1.84 v2(16.03,2.84) FB3.1 ; 61.77,56.08 61.77,54.11 ; v1(61.75,45.7) v1(61.75,47.7) ; 51.85,12.76 52.55,13.46 v1(52.55,14.73) C136.1 ; v1(36.21,15.74) v1(36.21,17.45) ; C150.1 53.88,28.16 54.52,28.8 54.52,29.51 v2(54.24,29.78) ; C143.1 C142.1 ; 61.77,54.08 61.77,47.71 ; C133.1 C141.1
  Bottom w1: C131.2 52.23,28.09 ; C150.1 52.55,27.91 C137.1 53.05,25.85 53.05,24.85 C145.1 C144.1 ; FB12.2 98.81,22.58 C53.1 98.81,26.35 C56.1 98.28,28.26 v2(98.27,28.28)
  vias: v1(12.28,38.52) v1(12.27,37.95) v1(31.5,54.96) v1(43.51,47.71) v1(48.04,18.92) v2(6.27,17.58) v2(6.38,38.27) v2(15.97,1.77) v2(24.7,18.21) v2(25.97,77.5) v2(30.4,112.6) v2(30.5,72.57) v2(37.8,108.2) v2(38,78) v2(38.14,7.57) v2(43.24,60.18) v2(73.63,93) v2(73.63,92) v2(73.63,91) v2(73.63,90) v2(74.63,93) v2(74.63,92) v2(74.63,91) v2(74.63,90) v2(75.18,19.36) v2(77.5,95.21) v2(79.6,94.4) v2(79.6,93.4) v2(80.6,94.4) v2(80.6,93.4) v2(80.6,92.4) v2(82.22,66.2) v2(89.91,67.45) v2(93.31,67.45) v2(93.31,65.25) v2(102.42,63.75) v2(102.42,61.75) v2(105.38,101.9) v2(109.7,107.53) v2(112.2,107.53) v2(119.7,107.53) v2(124.4,107.53) v2(126.3,107.53) v2(129.72,101.8) v2(130.72,99.8)
